# Altium PCB A题功率.PcbDoc (continued)
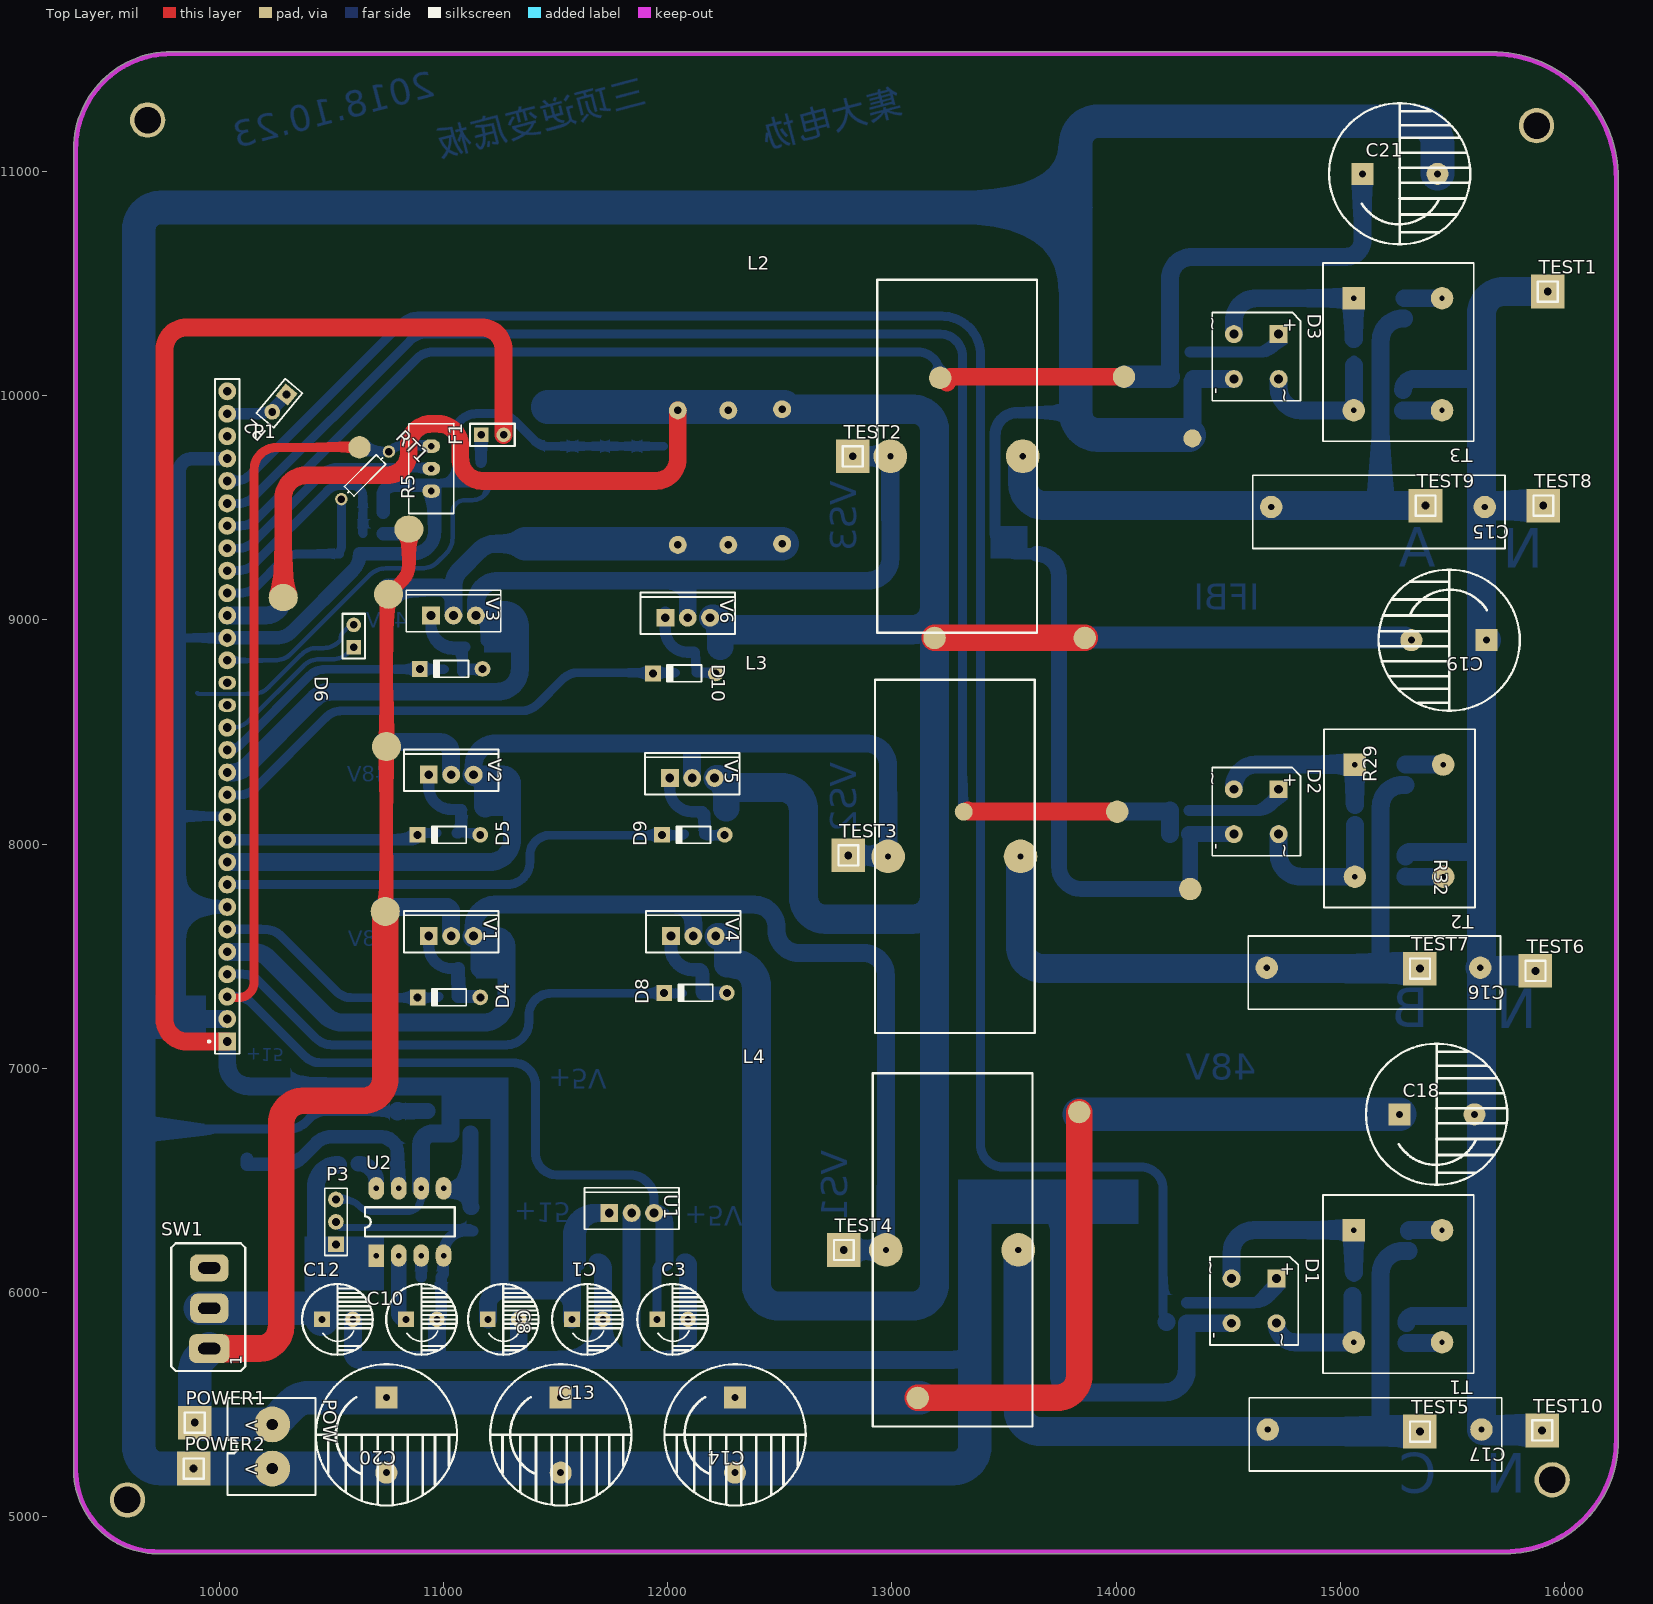
[diagram p0: Top Layer view]
## Footprints (in the part's own frame and the unit in brackets; to place one, negate y for a bottom-side part, rotate by r counter-clockwise, add the part's x,y. Pads: shape width x height; smd on the part's side, far side on the other; paste and mask are expansions set on the pad)
0805 [mil]
  rect 50x60 smd: 1(0,-40) 2(0,50)
  silkscreen extent -37,-83 37,93
0805C#1 [mil]
  rect 60x50 smd: 1(-5,0) 2(85,0)
  silkscreen extent -50,-35 131,36, body extent -16,-26 102,29, height 37
0805C#2 [mil]
  rect 60x50 smd: 1(0,0) 2(90,0)
  silkscreen extent -45,-35 136,36
0805R#1 [mil]
  rect 60x50 smd: 1(-45,0) 2(45,0)
  silkscreen extent -86,-37 86,36, body extent -38,-25 40,25, height 22
0805R#2 [mil]
  rect 60x50 smd far side: 1(45,0) 2(-45,0)
  body extent -40,-25 38,25, height 22
1210R [mil]
  rect 60x100 smd: 1(0,0) 2(135,0)
  silkscreen extent -50,-70 185,70, body extent -12,-49 146,49, height 67
AXIAL-0.3 [mm] "Axial Device, Thru-Hole; 2 Leads; 0.3 in Pin Spacing"
  round 1.4 hole 0.85: 1(-3.81,0) 2(3.81,0)
  silkscreen extent -2.77,-0.76 2.77,0.76
AXIAL-0.6 [mil] "Axial Device, Thru-Hole; 2 Leads; 0.6 in Pin Spacing"
  round 80 hole 33.46: 1(-300,0) 2(300,0)
  silkscreen extent -260,-50 260,50
Cap(直插)RB.8 [mil]
  rect 70x70 / inner round 70 / far side round 70 hole 31.5: 1(2.56,0.31)
  round 70 hole 31.5: 2(140.35,0.31)
  silkscreen extent -86,-157 229,158, body extent -87,-158 230,159, height 466
Cap-RB.16(直插) [mm]
  rect 2.5x2.5 hole 0.8: 1(-2.7,0)
  round 2.5 hole 0.8: 2(5.8,0)
  silkscreen extent -6.48,-8 9.51,8.01, body extent -3.8,-5.4 7.01,5.4, height 13
D1(直插) [mil]
  round 70 hole 35.43: 1(278.62,1.54)
  rect 70x70 hole 35.43: 2(-0.91,1.54)
  silkscreen extent 58,-36 216,39, body extent -24,-51 307,54, height 171
D-38 [mil] "Bridge Rectifier; 4 Terminals; Body 9.4 x 9.4 mm (typ); Pitch 5.08 mm"
  rect 80x80 hole 40: 1(-100,100)
  round 80 hole 40: 2(-100,-100) 3(100,-100) 4(100,100)
  silkscreen extent -197,-197 197,197, body extent -197,-197 197,197, height 390
EG1181 [mil]
  rect 100x70 hole 25: 1(0,0)
  oval 100x70 hole 25: 2(0,-100) 3(0,-200) 4(0,-300) 5(300,-300) 6(300,-200) 7(300,-100) 8(300,0)
  silkscreen extent 85,-350 215,50
HDR1X2 [mil] "Connector; Header; 2 Position"
  rect 70x70 hole 35.43: 1(0,0)
  round 70 hole 35.43: 2(100,0)
  silkscreen extent -50,-50 150,50
HDR1X3 [mil] "Connector; Header; 3 Position"
  rect 70x70 hole 35.43: 1(0,0)
  round 70 hole 35.43: 2(100,0) 3(200,0)
  silkscreen extent -50,-50 250,50
HDR1X30 [mil] "Connector; Header; 30 Position"
  rect 80x80 hole 38.98: 1(0,0)
  round 80 hole 38.98: 2(100,0) 3(200,0) 4(300,0) 5(400,0) 6(500,0) 7(600,0) 8(700,0) 9(800,0) 10(900,0) 11(1000,0) 12(1100,0) 13(1200,0) 14(1300,0) 15(1400,0) 18(1700,0) 19(1800,0) 20(1900,0) 21(2000,0) 22(2100,0) 23(2200,0) 24(2300,0) 25(2400,0) 26(2500,0) 27(2600,0) 28(2700,0) 29(2800,0) 30(2900,0)
  oval 60x80 hole 38.98: 16(1500,0) 17(1600,0)
  silkscreen extent -55,-55 2955,86
"Header 2" [mil]
  rect 65x65 hole 34: 1(0.81,102.01)
  round 65 hole 34: 2(0.81,2.01)
  silkscreen extent -49,-48 51,152, body extent -50,-50 50,150, height 336
NPN [mm]
  rect 0.9x0.95 smd: 1(-0.001,0.001) 2(-1.901,0.001) 3(-0.951,2.351)
  silkscreen extent -3.03,-0.12 0.35,2.35, body extent -2.47,-0.21 0.43,2.59, height 1.2
SS14 [mm]
  rect 2x1.75 smd: 1(-0.178,0.025) 2(4.422,0.025)
  silkscreen extent -0.58,-1.32 4.82,1.38, body extent -0.38,-1.32 4.73,1.35, height 2.12
T03B [mil]
  rect 80x80 hole 39.37: 1(-1,0)
  round 80 hole 39.37: 2(99,0) 3(199,0)
  silkscreen extent -112,-73 310,112, body extent -100,-65 300,115, height 730
大电感 [mm]
  round 3.81 hole 0.7: 1(-0.179,-0.114) 2(14.821,-0.114)
  silkscreen extent -1.68,-20.11 16.42,19.89
接线端子-2P-5.0MM [mil]
  round 160 hole 50: 1(-11.81,-3.94) 2(185.04,-3.94)
  silkscreen extent -130,-203 303,189, body extent -106,-154 287,161, height 433
测试点 [mil]
  rect 150x150 hole 35: 1(-5,0)
  silkscreen extent -50,-45 40,44
涤纶大电容 [mm]
  round 2.54 hole 0.7: 1(24.6,-0.1) 2(0.4,-0.1)
  silkscreen extent -1.9,-3.7 26.7,4.6, body extent -0.4,-4.15 25.6,5.15, height 20.5
电压互感器 [mil]
  rect 100x100 hole 23.62: 1(160,-210)
  round 100 hole 23.62: 2(160,290) 3(-233.7,290) 4(-233.7,-210)
  silkscreen extent -375,-367 298,428
"电感 220uH(大)" [mm]
  rect 5x10 smd: 1(-0.444,0.06) 2(-8.944,0.06)
  silkscreen extent -11.62,-6.09 2.32,6.41, body extent -8.6,-3.28 -1.48,3.83, height 4
钮子开关（大） [mil]
  rrect50% 130x180 hole 51.18 slot 98.43 at 90 deg: 1(-180,0)
  rrect50% 130x170 hole 51.18 slot 98.43 at 90 deg: 2(0,0)
  rrect50% 120x170 hole 51.18 slot 98.43 at 90 deg: 3(180,0)
  silkscreen extent -280,-160 290,170, body extent -245,-243 255,224, height 1110
顶调电位器 [mil]
  oval 60x80 hole 30: 1(0,0) 2(100,0) 3(200,0)
  silkscreen extent -100,-101 301,100, body extent -83,-85 279,104, height 474

## Part data
C1 C3 C8 C10 C12 C13 C14 C18 C19 C20 C21: library part Cap1
C2 C4 C5 C6 C7: library part CAP, "Capacitor"
C9 C11 C15 C16 C17: library part C1
D1 D2 D3: "Full Wave Diode Bridge"
D4 D5 D6 D8 D9 D10: library part SS14
F1: library part "Header 2"
L1 L2 L3 L4: library part L1
P2: "Header, 2-Pin"
P3: "Header, 3-Pin"
POW: library part 接线端子(小)-2PIN
Q1: library part Q2
R1 R2 R4 R6 R7 R8 R9 R10 R11 R12 R13 R14 R15 R16 R17 R18 R19 R20 R21 R22 R23 R24 R25 R26 R27 R28 R29 R30 R31 R32 R33 R34 R35 R36 R37 R38 R39: library part R1
R5: library part RPot, "可调电阻"
RT1: library part Res1, "Resistor"
SW1: library part 钮子开关（大）, "AC 250V/6A"
T1 T2 T3: library part VTran
V1 V2 V3 V4 V5 V6: library part 7575

## Free pads (board coordinates)
  round 157.48 hole 118.11: 8(9590,5075) 8(9680,11230) 8(15875,11205) 8(15945,5165)
  oval 130x120 all layers, no hole: 8(10285,9100) 8(10845,9405)
  round 100 all layers, no hole: 8(10625,9770) 8(13115,5530) 8(13190,8920) 8(13215,10080) 8(13835,6805) 8(13860,8920) 8(14005,8145) 8(14035,10085) 8(14330,7800)
  round 130 all layers, no hole: 8(10740,7700) 8(10745,8435) 8(10755,9115)
  round 80 all layers, no hole: 8(13320,8145) 8(14340,9810)

## Nets (pads, with @x,y where several pads share a name; then routed paths per layer and width w, separated by ;. In a path a pad name is that pad's centre, name@x,y a point inside that pad or via, vN(x,y) a via of type N, cw(c..) or ccw(c..) an arc to the next point about the centre after c; other vN are vias at no path point)
+5V: C3.1 C4.2 P1.3 pad.8@10625,9770 R5.3 RT1.2 U1.3 | length 6417.7
  Top Layer w40: P1.3 ccw(c10040,7320) 10040,7315 10085,7315 ccw(c10085,7385) 10155,7385 10155,9670 cw(c10255,9670) 10255,9770 pad.8@10625,9770
  Bottom Layer w40: P1.3 10073.58,7320 cw(c10073.58,7220) 10144.29,7290.71 10380.71,7054.29 ccw(c10451.42,7125) 10451.42,7025 11310,7025 cw(c11310,6925) 11410,6925 11410,6621.42 ccw(c11506.42,6621.42) 11506.42,6525 11833.58,6525 cw(c11833.58,6425) 11904.29,6495.71 11909.71,6490.29 cw(c11839,6419.58) 11939,6419.58 U1.3 ; pad.8@10601.07,9751.07 RT1.2 cw(c10825.92,9681.21) 10825.92,9780 R5.3@10960,9780 ; C3.1 11952.56,6102.56 cw(c11981.85,6102.56) 11981.85,6131.85 C4.2
  Bottom Layer w80: U1.3 cw(c11939,6309) 11985,6309 C4.2
+15V: C1.1 C2.2 C8.1 C9.2 F1.2 L1.2 P1.1 P3.3 R11.2 U1.1 U2.6 | length 9794.9
  Top Layer w80: P1.1 9855,7120 cw(c9855,7220) 9755,7220 9755,10205 cw(c9855,10205) 9855,10305 11167.99,10305 cw(c11167.99,10205) 11267.99,10205 F1.2
  Bottom Layer w30: P3.3 10553.58,6415 cw(c10553.58,6315) 10624.29,6385.71 ccw(c10686.36,6447.78) 10686.36,6360 10836.72,6360 ccw(c10836.72,6428.28) 10885,6380 ccw(c10848.79,6416.21) 10900,6416.21 U2.6
  Bottom Layer w80: P1.1 10035,7020 ccw(c10135,7020) 10135,6920 11045,6920 ccw(c11045,6905) 11030,6905 11030,6715 ccw(c11025,6715) R11.2@11025,6720 ; U2.6 10900,6657.68 cw(c10952.32,6657.68) 10952.32,6710 R11.2@11030,6710 ; C8.1 11197.56,5941.72 cw(c11265.84,5941.72) 11265.84,6010 ; 11250,6820 11250,6025.84 ccw(c11265.84,6025.84) 11265.84,6010 ; C1.1 11572.56,5937.44 ; U1.1 11695,6355 ; 11265.84,6010 11528.93,6010 cw(c11528.93,5995.76) 11543.16,5995.76 cw(c11500,5937.44) 11572.56,5937.44 ; 11572.56,5937.44 C2.2@11572.56,6112.56 ; C2.2@11572.56,6112.56 cw(c11595,6112.56) C2.2 11595,6255 cw(c11695,6255) 11695,6355 ; C2.2@11572.56,6112.56 11572.56,6255 cw(c11672.56,6255) 11672.56,6355 11695,6355
+48V: C5.1 C6.1 C7.1 C13.1 C14.1 C18.1 C20.1 pad.8@10740,7700 pad.8@10745,8435 pad.8@10755,9115 pad.8@10845,9405 pad.8@13115,5530 pad.8@13835,6805 POW.1 POWER1.1 R4.2 SW1.1 V1.2 V2.2 V3.2 | length 14368.8
  Top Layer w60: pad.8@10740,7700 ccw(c10727.93,7712.07) 10745,7712.07 10745,8435 10745,9063.58 cw(c10845,9063.58) 10774.29,9134.29 10815.71,9175.71 ccw(c10745,9246.42) 10845,9246.42 pad.8@10845,9405
  Top Layer w118.11: SW1.1 10175,5750 ccw(c10175,5850) 10275,5850 10275,6755 cw(c10375,6755) 10375,6855 10640,6855 ccw(c10640,6955) 10740,6955 pad.8@10740,7700 ; pad.8@13115,5530 13735,5530 ccw(c13735,5630) 13835,5630 pad.8@13835,6805
  Bottom Layer w60: R4.2@10730,9385 pad.8@10850,9385
  Bottom Layer w80: pad.8@10720,7715 cw(c10725,7715) 10725,7720 11010,7720 cw(c11010,7696) 11034,7696 V1.2 ; pad.8@10730,8455 10985,8455 cw(c10985,8406) 11034,8406 V2.2 ; pad.8@10750,9145 10980,9145 cw(c10980,9081) 11044,9081 ; V3.2 11044,9081 ; 11365,9340 11231.42,9340 ccw(c11231.42,9240) 11160.71,9310.71 11073.29,9223.29 ccw(c11144,9152.58) 11044,9152.58 11044,9081
  Bottom Layer w150: SW1.1 9919.29,5714.29 ccw(c9990,5643.58) 9890,5643.58 POWER1.1 ccw(c9909.77,5439.77) 9909.77,5411.81 POW.1 10326.26,5502.01 cw(c10396.97,5431.3) 10396.97,5531.3 C20.1 C13.1 C14.1 ccw(c12301.3,5531.3) 12301.3,5530 13115,5530 pad.8@13125,5530 ; 11365,9340 C6.1 ; pad.8@13835,6795 C18.1
A: C15.1 L2.2 R34.2 TEST9.1 | length 2871.2
  Bottom Layer w80: 15180,9510 15180,10245 cw(c15280,10245) 15280,10345 R34.2
  Bottom Layer w130: L2.2 13583.52,9610 ccw(c13683.52,9610) 13683.52,9510 15180,9510 TEST9.1
AHO: D6.2 P1.14 R9.1 | length 1111.2
  Bottom Layer w39.37: P1.14 ccw(c10035,8504.5) 10094.75,8444.75 10400.71,8750.71 cw(c10471.42,8680) 10471.42,8780 10905.24,8780 R9.1@11005,8780
ALO: D10.2 P1.12 R18.1 | length 2208.5
  Bottom Layer w39.37: P1.12 10088.58,8220 ccw(c10088.58,8320) 10159.29,8249.29 10475.71,8565.71 cw(c10546.42,8495) 10546.42,8595 11348.58,8595 ccw(c11348.58,8695) 11419.29,8624.29 11530.71,8735.71 cw(c11601.42,8665) 11601.42,8765 11940.24,8765 R18.1
ASIN: P1.17
AVFB: C21.1 P1.24 pad.8@13215,10080 pad.8@14035,10085 R33.1 R36.2 | length 6378.9
  Top Layer w80: pad.8@13245,10060 cw(c13270,10060) 13270,10085 pad.8@14035,10085
  Bottom Layer w40: P1.24 10093.58,9420 ccw(c10093.58,9520) 10164.29,9449.29 10880.71,10165.71 cw(c10951.42,10095) 10951.42,10195 13115,10195 cw(c13115,10095) 13215,10095 pad.8@13215,10080 ; R36.2@14240,10075 14240,10088.18 R33.1@14240,10195
  Bottom Layer w80: 14240,10520 cw(c14340,10520) 14340,10620 15025,10620 ccw(c15025,10693.7) 15098.7,10693.7 C21.1
  Bottom Layer w82: 14240,10520 R33.1 14240,10088.21 ccw(c14243.21,10088.21) R36.2@14243.21,10085
  Bottom Layer w100: pad.8@14035,10085 R36.2@14234.14,10085
B: C16.1 L3.2 R29.2 TEST7.1 | length 3279.4
  Bottom Layer w60: TEST7.1@15351.06,7448.94 cw(c15351.06,7445) TEST7.1
  Bottom Layer w80: 15180,7458.94 15180,8165 cw(c15279.83,8165) 15279.83,8264.83 R29.2@15290,8264.83 ; 15190,7448.94 TEST7.1@15351.06,7448.94
  Bottom Layer w130: L3.2 13573.52,7545 ccw(c13673.52,7545) 13673.52,7445 TEST7.1
BET: P1.22 R4.1 R27.2 | length 948.4
  Bottom Layer w40: P1.22 10083.58,9220 ccw(c10083.58,9320) 10154.29,9249.29 10480.28,9575.28 cw(c10540,9515.5) 10540,9600 10590,9600 cw(c10590,9550) 10640,9550 10640,9480 R4.1@10640,9385 ; 10480,9575 10480.25,9575.25
BFO: P1.16
BHO: D5.2 P1.10 R8.1 | length 952.1
  Bottom Layer w40: D5.2@10890.24,8050 R8.1@10970,8050
  Bottom Layer w50: P1.10 10860.24,8020 ccw(c10860.24,8050) D5.2@10890.24,8050
BLO: D9.2 P1.8 R39.1 | length 2180.5
  Bottom Layer w39.37: P1.8 11285,7820 ccw(c11285,7920) 11385,7920 11385,7950 cw(c11475,7950) 11422.57,8023.15 cw(c11475,7950) 11475,8040 11975.24,8040 12070,8040 R39.1@12075,8045
BVFB: P1.25 pad.8@13320,8145 pad.8@14005,8145 R28.1 R31.2 | length 6691.2
  Top Layer w80: pad.8@13340,8150 ccw(c13345,8150) 13345,8145 pad.8@14005,8145
  Bottom Layer w40: P1.25 10083.58,9520 ccw(c10083.58,9620) 10154.29,9549.29 10850.71,10245.71 cw(c10921.42,10175) 10921.42,10275 13215,10275 cw(c13215,10175) 13315,10175 13315,8175 ccw(c13340,8175) pad.8@13340,8150
  Bottom Layer w80: pad.8@14005,8145 14235,8145 ccw(c14235,8150) R28.1 R31.2
C: C17.1 L4.2 R16.2 TEST5.1 | length 3577.3
  Bottom Layer w80: 15180,5408.94 15180,6085 cw(c15280,6085) 15280,6185 R16.2 ; 15200,5388.94 15346.06,5388.94 cw(c15346.06,5380) TEST5.1
  Bottom Layer w130: L4.2 13563.52,5480 ccw(c13663.52,5480) 13663.52,5380 TEST5.1
CHO: D4.2 P1.6 R7.1 | length 1064.8
  Bottom Layer w40: P1.6 10203.58,7620 cw(c10203.58,7520) 10274.29,7590.71 10520.71,7344.29 ccw(c10591.42,7415) 10591.42,7315 10885.24,7315 10975,7315 R7.1@10980,7320
CLO: D8.2 P1.4 R38.1 | length 2296
  Bottom Layer w40: P1.4 10103.58,7420 cw(c10103.58,7320) 10174.29,7390.71 10430.71,7134.29 ccw(c10501.42,7205) 10501.42,7105 11280,7105 ccw(c11280,7205) 11380,7205 11380,7235 cw(c11480,7235) 11480,7335 11975.24,7335 R38.1
CVFB: P1.26 R1.1 R2.2 | length 8809.8
  Bottom Layer w40: P1.26 10068.58,9620 ccw(c10068.58,9720) 10139.29,9649.29 10815.71,10325.71 cw(c10886.42,10255) 10886.42,10355 13222.92,10355 cw(c13222.92,10182.92) 13395,10182.92 13395,6660 ccw(c13495,6660) 13495,6560 14110,6560 cw(c14110,6460) 14210,6460 14210,5904.4 ccw(c14261.21,5904.4) 14225,5868.19 ccw(c14230,5868.19) R2.2@14230,5863.19
ENH: P1.30
ERO: ?.1 P1.15 | length 699.6
  Bottom Layer w20: P1.15 10058.58,8520 ccw(c10058.58,8620) 10129.29,8549.29 10375.71,8795.71 cw(c10446.42,8725) 10446.42,8825 10504.78,8825 ccw(c10504.78,8925) 10575.49,8854.29 ?.1
FAN: P1.18 Q1.2 | length 1591
  Bottom Layer w20: P1.18 10248.58,8820 ccw(c10248.58,8920) 10319.29,8849.29 10670.71,9200.71 cw(c10741.42,9130) 10741.42,9230 10903.58,9230 ccw(c10903.58,9330) 10974.29,9259.29 11010.71,9295.71 ccw(c10940,9366.42) 11040,9366.42 11040,9480 cw(c11095,9480) 11095,9535 11129.82,9535 ccw(c11129.82,9610.03) Q1.2
GND: ?.2 C1.2 C2.1 C3.2 C4.1 C8.2 C9.1 C10.2 C11.1 C12.2 C13.2 C14.2 C20.2 C21.2 D1.3 D2.3 D3.3 D7.1 P1.2 P1.7 P1.11 P1.19 P1.27 P3.2 pad.8@14330,7800 pad.8@14340,9810 POW.2 POWER2.1 Q1.1 R2.1 R5.1 R15.1 R22.1 R23.1 R24.1 R25.1 R26.1 R27.1 R31.1 R36.1 U1.2 U2.4 | length 39807.4
  Bottom Layer w18: 9900,8675 ccw(c9912.07,8687.07) 9912.07,8670 10125,8670
  Bottom Layer w20: 10125,8670 10148.58,8670 ccw(c10148.58,8770) 10219.29,8699.29 10365.71,8845.71 cw(c10436.42,8775) 10436.42,8875 10465,8875 ccw(c10465,8971.57) 10533.28,8903.28 10540,8910 cw(c10600.36,8910) 10557.68,8952.68 10571.54,8966.54 cw(c10599.19,8938.89) ?.2
  Bottom Layer w30: P3.2 ccw(c10545,6315) 10545,6290 11115,6290 cw(c11115,6275) R15.1@11130,6275
  Bottom Layer w40: 9640,6730 10313.58,6730 ccw(c10313.58,6830) 10384.29,6759.29 10402.71,6777.71 cw(c10473.42,6707) 10473.42,6807 D7.1 ; 9820,8125 10030,8125 cw(c10030,8120) P1.11 ; 9820,8935 ccw(c9835,8935) 9835,8920 P1.19 ; R5.1@10960,9580 cw(c10990.03,9580) 10990.03,9610.03 11065,9610.03 ; Q1.1 11065,9610.03 ; R25.1@11980,9775 11460,9775 cw(c11460,9847.43) 11408.79,9796.21 11314.29,9890.71 ccw(c11243.58,9820) 11243.58,9920 11146.42,9920 ccw(c11146.42,9820) 11075.71,9890.71 ccw(c11101.57,9864.85) 11065,9864.85 11065,9610.03 ; R2.1@14320,5863.19 D1.3 ; R36.1@14340,10065 14330,10075 R36.1@14345,10075
  Bottom Layer w50: C10.2 ccw(c10970.35,5899.96) 10990,5899.96 C11.1 ccw(c10965.86,6094.14) 11000,6094.14 U2.4 11000,6175 cw(c11100,6175) 11100,6275 R15.1@11130,6275 ; 13645,9295 13560,9295 cw(c13560,9395) 13460,9395 13460,9825 cw(c13560,9825) 13560,9925 13820,9925
  Bottom Layer w60: 9640,7182.14 9648.57,7190.71 cw(c9719.28,7120) 9719.28,7220 9920,7220 cw(c9920,7320) 9827.45,7282.14 cw(c9920,7320) 9820,7320 9820,7720 ; P1.7 9820,7720 ; P1.19 10253.58,8920 ccw(c10253.58,9020) 10324.29,8949.29 10595.71,9220.71 ccw(c10525,9291.42) 10625,9291.42 10625,9295 10860,9295 ccw(c10860,9395) 10960,9395 10960,9580 10960,9600 10775,9600 ccw(c10775,9555) 10730,9555 R27.1@10730,9480 ; P1.27 9880,9720 ccw(c9880,9660) 9820,9660 9820,8935 9820,8125 9820,7720
  Bottom Layer w70: D7.1@10797,6810 C9.1@10930,6810 ; 13645,9295 cw(c13645,9195) 13745,9195 13745,7900 ccw(c13845,7900) 13845,7800 14330,7800 R31.1 ; R31.1@14325,8045 D2.3
  Bottom Layer w80: 9920,7220 P1.2 ; C12.2 10595.35,5729.65 ccw(c10625,5729.65) 10625,5700 10980,5700 ; D7.1 cw(c10797,6807) D7.1@10797,6810 ; C10.2 10970.35,5709.65 ccw(c10980,5709.65) 10980,5700 ; C8.2 11335.35,5729.65 cw(c11315.35,5729.65) 11315.35,5709.65 ccw(c11325,5709.65) 11325,5700 ; C2.1@11685.78,6135 cw(c11685.78,6110.42) 11710.35,6110.42 C1.2 11710.35,5700 ; U1.2 11839,5716 ccw(c11855,5716) 11855,5700 ; C4.1 cw(c12075,6119.65) 12090.35,6119.65 C3.2 12090.35,5800 cw(c11990.35,5800) 11990.35,5700 ; 13370,5800 cw(c13270,5800) 13270,5700 11990.35,5700 ; 13370,6315 cw(c13430,6315) 13430,6375 13645,6375 cw(c13645,6275) 13745,6275 13745,5630 ccw(c13820,5630) 13820,5555 14215,5555 ccw(c14215,5655) 14315,5655 R2.1 cw(c14318.19,5860) 14318.19,5863.19 D1.3 ; pad.8@14340,9810 R36.1@14340,10065 ; R36.1@14345,10075 D3.3 ; 10980,5700 11325,5700 ; 11325,5700 11710.35,5700 ; 11710.35,5700 11855,5700 ; 11855,5700 11990.35,5700
  Bottom Layer w150: 13370,6315 13370,5800 13370,5315 cw(c13270,5315) 13270,5215 POWER2.1 9740,5215 cw(c9740,5315) 9640,5315 9640,6730 9640,7182.14 9640,10740 cw(c9740,10740) 9740,10840 13820,10840 ; pad.8@14325,9825 13920,9825 cw(c13920,9925) 13820,9925 13820,10840 ; C21.2 15433.35,11125 ccw(c15333.35,11125) 15333.35,11225 13920,11225 ccw(c13920,11125) 13820,11125 13820,10840
IFBI: C5.2 C6.2 C7.2 C19.2 P1.20 pad.8@10285,9100 pad.8@13190,8920 pad.8@13860,8920 R19.2 R20.2 R21.2 R22.2 R23.2 R24.2 R25.2 V4.3 V5.3 V6.3 | length 16210.3
  Top Layer w78.74: pad.8@10285,9100 10285,9545 cw(c10385,9545) 10385,9645 10745,9645 ccw(c10745,9745) 10845,9745 10845,9775 cw(c10945,9775) 10945,9875 10975,9875 cw(c10975,9775) 11075,9775 11075,9720 ccw(c11175,9720) 11175,9620 11945,9620 ccw(c11945,9720) 12045,9720 C7.2
  Top Layer w118.11: pad.8@13190,8920 pad.8@13860,8920
  Bottom Layer w78.74: P1.20 10205,9020 ccw(c10205,9100) pad.8@10285,9100 ; C19.2@15288.22,8921.78 ccw(c15316.65,8950.21) C19.2
  Bottom Layer w100: pad.8@13868.43,8921.78 C19.2@15288.22,8921.78
  Bottom Layer w118.11: V6.3@12198.06,9010 cw(c12198.06,8973.06) 12235,8973.06 12235,8956.63 R21.2@12235,8880 ; V5.3@12218.06,8295 cw(c12218.06,8253.06) 12260,8253.06 R20.2@12260,8160 ; V4.3@12223.06,7590 cw(c12223.06,7548.06) 12265,7548.06 12265,7465
  Bottom Layer w130: 12235,8956.63 13090,8956.63 ccw(c13090,9056.63) 13190,9056.63 ; 12260,8253.06 12505,8253.06 cw(c12505,8153.06) 12605,8153.06 12605,7765 ccw(c12705,7765) 12705,7665 13090,7665 ccw(c13090,7765) 13190,7765 ; 12295,7465 cw(c12295,7365) 12395,7365 12395,6040 ccw(c12495,6040) 12495,5940 13090,5940 ccw(c13090,6040) 13190,6040 13190,7765 ; C6.2 13095,9940 cw(c13095,9845) 13190,9845 13190,9056.63 ; 13190,7765 13190,8920 13190,9056.63
  Bottom Layer w150: 11465,9950 12270,9950 C6.2@12520,9950
N: C15.2 C16.2 C17.2 C18.2 C19.1 R17.2 R32.2 R37.2 TEST1.1 TEST6.1 TEST8.1 TEST10.1 | length 9263.6
  Bottom Layer w70: 15645,5895 C16.2@15645,7435
  Bottom Layer w80: R37.2 cw(c15330,10025) 15330,10075 15555,10075 ; R32.2 cw(c15310,7945) 15310,7965 15629.25,7965 15640,7965 C16.2@15640,7448.94 ; R17.2 cw(c15325,5865) 15325,5895 15595,5895 cw(c15595,5860.75) 15629.25,5860.75
  Bottom Layer w130: C16.2 ccw(c15657.9,7482.58) C16.2@15629.25,7444.59 ; C15.2 cw(c15658.89,9489.3) 15658.89,9510 TEST8.1 ; C19.1 ccw(c15704.53,8856.77) 15629.25,8856.77 ; TEST6.1 15657.9,7435 cw(c15657.9,7482.58) 15640,7438.49 cw(c15657.9,7482.58) C16.2@15629.25,7444.59 ; TEST10.1 15638.76,5385 cw(c15638.76,5398.44) C17.2 15629.25,5860.75 C16.2@15629.25,7444.59 ; TEST1.1 15729.25,10465 ccw(c15729.25,10365) 15629.25,10365 15629.25,8856.77 ; C16.2@15629.25,7444.59 15629.25,7965 15629.25,8856.77
NetC10_1: C10.1 U2.2 | length 303.3
  Bottom Layer w70: U2.2 10800,5912.87 ccw(c10832.56,5912.87) C10.1
NetC11_2: C11.2 U2.3 | length 108.4
  Bottom Layer w50: C11.2 U2.3 ccw(c10887.93,6177.07) U2.3@10905,6177.07
NetC12_1: C12.1 P3.1 R10.1 SW1.2 U2.1 | length 1195.4
  Bottom Layer w80: 10425,6200 ccw(c10425,6205) 10430,6205 10430,6470 cw(c10530,6470) R10.1@10530,6570
  Bottom Layer w150: SW1.2@9915,5930 10430,5930 ; C12.1 10457.56,6130.82
NetD1_1: D1.1 R1.2 | length 465.3
  Bottom Layer w50: R1.2@14315,5955 14615,5955 ccw(c14615,6055) 14715,6055 D1.1
NetD1_2: D1.2 R6.1 T1.1 | length 927.1
  Bottom Layer w40: R6.1@15060,6068.19 R6.1@15060,6090
  Bottom Layer w80: D1.2 14515,6178.19 cw(c14615,6178.19) 14615,6278.19 T1.1 R6.1@15060,6090
NetD1_4: D1.4 R6.2 T1.2 | length 603.2
  Bottom Layer w80: D1.4 ccw(c14800,5863.19) 14800,5778.19 T1.2 cw(c15060,5783.19) 15055,5783.19 R6.2
NetD2_1: D2.1 R28.2 | length 454.2
  Bottom Layer w50: R28.2@14325,8150 R28.2 14630,8150 ccw(c14630,8245) D2.1
NetD2_2: D2.2 R30.1 T2.1 | length 786.7
  Bottom Layer w80: D2.2 14525,8254.83 cw(c14625,8254.83) 14625,8354.83 T2.1 15064.9,8175 R30.1
NetD2_4: D2.4 R30.2 T2.2 | length 717.4
  Bottom Layer w80: D2.4 14725,7954.83 ccw(c14825,7954.83) 14825,7854.83 T2.2 15064.9,8085 R30.2
NetD3_1: D3.1 R33.2 | length 440.7
  Bottom Layer w50: R33.2@14330,10195 14645,10195 ccw(c14645,10275) D3.1
NetD3_2: D3.2 R35.1 T3.1 | length 837.1
  Bottom Layer w39.37: R35.1@15060,10250 R35.1
  Bottom Layer w80: D3.2 14525,10335 cw(c14625,10335) 14625,10435 T3.1
  Bottom Layer w82: R35.1 T3.1
NetD3_4: D3.4 R35.2 T3.2 | length 657.1
  Bottom Layer w40: R35.2@15060,10135 R35.2@15060,10160
  Bottom Layer w80: D3.4 14725,10035 ccw(c14825,10035) 14825,9935 T3.2 R35.2@15060,10135
NetD4_1: D4.1 R7.2 R12.1 V1.1 | length 457.8
  Bottom Layer w50: V1.1 10934,7545 ccw(c11034,7545) 11002.78,7450 ccw(c11034,7545) 11034,7445 R12.1
  Bottom Layer w59.06: R12.1 11065,7325 ccw(c11070,7325) 11070,7320 11159.76,7320 D4.1@11164.76,7315
NetD5_1: D5.1 R8.2 R13.1 V2.1 | length 484.3
  Bottom Layer w40: R8.2@11060,8050 D5.1@11169.76,8050
  Bottom Layer w50: V2.1 10934,8255 ccw(c11034,8255) 11002.78,8160 ccw(c11034,8255) 11034,8155 R13.1 11080,8070 cw(c11060,8070) R8.2@11060,8050
NetD6_1: D6.1 R9.2 R14.1 V3.1 | length 689.1
  Bottom Layer w50: 10944,8969.36 ccw(c11044,8969.36) 10983.15,8890 ccw(c11044,8969.36) 11044,8869.36 11061.67,8869.36 cw(c11010,8815) 11085,8815 ; V3.1 10944,8980 ccw(c11044,8980) 11044,8880 R14.1 ccw(c11095,8870) 11085,8870 11085,8815 ; R9.2@11085,8770 11085,8815 ; R9.2@11095,8780 D6.1@11184.76,8780
NetD7_2: D7.2 L1.1 U2.7 | length 940
  Bottom Layer w59.06: L1.1@10122.63,6595 L1.1 10296.05,6572.47 ccw(c10296.05,6672.47) 10366.76,6601.76 10431.72,6666.72 cw(c10500,6598.43) 10500,6695 10724.9,6695 cw(c10724.9,6625.9) D7.2 10794,6471 ccw(c10800,6471) U2.7
NetD8_1: D8.1 R19.1 R38.2 V4.1 | length 446.4
  Bottom Layer w59.06: V4.1 12014,7540 ccw(c12114,7540) 12082.78,7445 ccw(c12114,7540) 12114,7440 12140,7440 cw(c12140,7425) 12155,7425 R38.2 D8.1@12254.76,7335
NetD9_1: D9.1 R20.1 R39.2 V5.1 | length 434.9
  Bottom Layer w43.31: R39.2@12165,8045 12170,8040 D9.1@12254.76,8040
  Bottom Layer w50: V5.1 12009,8245 ccw(c12109,8245) 12056.32,8160 ccw(c12109,8245) 12109,8145 R20.1 ; R39.2@12165,8045 R20.1@12165,8135
NetD10_1: D10.1 R18.2 R21.1 V6.1 | length 444.5
  Bottom Layer w39.37: R21.1@12119.41,8852.44 cw(c12095,8835) 12125,8835 R18.2 D10.1@12219.76,8765
  Bottom Layer w50: V6.1@11976.5,9022.5 V6.1@11989,9035 ; V6.1 11989,8956.21 ccw(c12089,8956.21) 12048.01,8865 ccw(c12089,8956.21) 12089,8856.21 12115.64,8856.21 cw(c12115.64,8852.44) 12116.27,8856.16 cw(c12115.64,8852.44) R21.1@12119.41,8852.44
NetF1_1: F1.1 Q1.3 | length 123.4
  Bottom Layer w50: Q1.3 11167.45,9824.51 cw(c11169.29,9824.51) F1.1
NetR10_2: R10.2 U2.8 | length 155.7
  Bottom Layer w70: R10.2 cw(c10620,6495) 10700,6495 U2.8
NetR11_1: R11.1 R15.2 U2.5 | length 458.6
  Bottom Layer w70: U2.5 ccw(c11010,6465) 11010,6455 11120,6455 ; R11.1@11120,6710 11120,6455 ; R15.2 cw(c11125,6385) 11120,6385 11120,6455
NetR16_1: R16.1 T1.4 | length 153.7
  Bottom Layer w60: R16.1@15305,6278.19 R16.1@15308.19,6278.19
  Bottom Layer w80: R16.1 cw(c15308.19,6275) 15308.19,6278.19 T1.4
NetR17_1: R17.1 T1.3 | length 160.5
  Bottom Layer w80: R17.1 15450.51,5775 ccw(c15450.51,5778.19) T1.3
NetR29_1: R29.1 T2.4 | length 168.8
  Bottom Layer w80: R29.1 15290,8354.83 T2.4
NetR32_1: R32.1 T2.3 | length 168.8
  Bottom Layer w80: R32.1 15290,7854.83 T2.3
NetR34_1: R34.1 T3.4 | length 168.7
  Bottom Layer w80: R34.1 T3.4
NetR37_1: R37.1 T3.3 | length 173.7
  Bottom Layer w80: R37.1 T3.3
PHCLR: P1.29 P2.1 P2.2 | length 295.9
  Bottom Layer w50: P1.29 10173.58,9920 ccw(c10173.58,10020) 10244.29,9949.29 P2.1
PHDIR: P1.28
TFB: P1.21 R26.2 RT1.1 | length 805.2
  Bottom Layer w40: P1.21 10093.58,9120 ccw(c10093.58,9220) 10164.29,9149.29 10280.71,9265.71 cw(c10351.42,9195) 10351.42,9295 10535,9295 10535,9305 ccw(c10513.43,9326.57) 10543.93,9326.57 RT1.1@10543.93,9533.93
VADJ: P1.23 R5.2 | length 1065.5
  Bottom Layer w40: P1.23 10083.58,9320 ccw(c10083.58,9420) 10154.29,9349.29 10455.71,9650.71 cw(c10526.42,9580) 10526.42,9680 R5.2@10960,9680
VS1: L4.1 P1.5 R12.2 TEST4.1 V1.3 V4.2 | length 5721.1
  Bottom Layer w80: P1.5 10148.58,7520 cw(c10148.58,7420) 10219.29,7490.71 10475.71,7234.29 ccw(c10546.42,7305) 10546.42,7205 11180,7205 ccw(c11180,7305) 11280,7305 11280,7545 ccw(c11235,7545) 11235,7590 V1.3 11134,7634 cw(c11230,7634) 11230,7730 12030,7730 ; V4.2 12114,7646 ccw(c12030,7646) 12030,7730 ; TEST4.1 12785,6190.51 L4.1 12972.97,7415 ccw(c12872.97,7415) 12872.97,7515 12585,7515 cw(c12585,7615) 12485,7615 12485,7630 ccw(c12385,7630) 12385,7730 12030,7730
  Bottom Layer w100: V1.3 cw(c11134,7554) 11170,7554 R12.2@11170,7450
VS2: L3.1 P1.9 R13.2 TEST3.1 V2.3 V5.2 | length 4699.1
  Bottom Layer w80: P1.9 11205,7920 ccw(c11205,8020) 11305,8020 11305,8270 ccw(c11265,8270) 11265,8310 V2.3 11134,8350 cw(c11234,8350) 11234,8450 12115,8450 ; V5.2 12109,8444 cw(c12115,8444) 12115,8450 ; TEST3.1 12978.48,7950 cw(c12978.48,7945.51) L3.1 L3.1@12982.97,7947.03 ; L3.1@12975,7955 cw(c12975,7947.03) L3.1@12982.97,7947.03 ; 12115,8450 12882.97,8450 cw(c12882.97,8350) 12982.97,8350 L3.1@12982.97,7947.03
  Bottom Layer w100: V2.3 cw(c11134,8259) 11185,8259 R13.2@11185,8170
VS3: L2.1 P1.13 R14.2 TEST2.1 V3.3 V6.2 | length 5003.7
  Bottom Layer w60: P1.13 P1.13@10053.58,8320 ; 11195,8910 11195,8994 ccw(c11144,8994) 11166.02,9040 11265,9040
  Bottom Layer w80: P1.13@10053.58,8320 ccw(c10053.58,8420) 10124.29,8349.29 10425.71,8650.71 cw(c10496.42,8580) 10496.42,8680 11240,8680 ccw(c11240,8780) 11340,8780 11340,8975 ccw(c11270,8975) 11270,9045 11144,9045 11144,9075 cw(c11244,9075) 11244,9175 12004,9175 ; 11195,8994 11195,9011.02 ; V6.2@12089,9035 12089,9125.14 ccw(c12066.12,9125.14) 12066.12,9148.02 ccw(c12004,9090) 12004,9175 ; TEST2.1 12825,9730.51 L2.1 12992.97,9275 cw(c12892.97,9275) 12892.97,9175 12004,9175
pads on no net: SW1.3

## Polygon pours and split planes (outlines as drawn)
GND on Bottom Layer "Top Layer-No Net" (solid, remove dead copper, pour order 4): 8690,12160 8690,12030 ccw(c8790,12030) 8790,11930 16400,11930 16745,11930 cw(c16745,11830) 16845,11830 16845,7435 16845,4495 cw(c16745,4495) 16745,4395 15880,4395 8320,4395 ccw(c8320,4370) 8295,4370

## Keep-outs
Keep-Out Layer:
  lines w20: 9720,4845 15735,4845 ccw(c15735,5340) 16230,5340 16230,10970 ccw(c15675,10970) 15675,11525 9785,11525 ccw(c9785,11100) 9360,11100 9360,5205 ccw(c9725,5210) 9730,4845

## Other copper
Bottom Layer:
  rectangle net GND: 13295,6305 14100,6505
  rectangle net GND: 13440,9275 13605,9420
  rectangle net VS3: 11180,8855 11310,9050
  rectangle net VS1: 11145,7400 11275,7595
  rectangle net VS2: 11165,8125 11295,8320
  rectangle net GND: 9565,7130 9940,7325
  rectangle net +15V: 11045,6775 11290,6960
  rectangle net NetC12_1: 10380,6010 10735,6250
  text "2018.10.23" at 10980,11300 h200 r14.79
  text "三项逆变底板" at 11925,11270 h200 r14.79
  text "集大电协" at 13065,11225 h200 r14.79
  text "VS3" at 12880,9620 h200 r90
  text "A" at 15425,9180 h300
  text "N" at 15905,9175 h300
  text "IFBI" at 14640,9005 h200
  text "48V" at 10840,8940 h120
  text "VS2" at 12880,8365 h200 r90
  text "48V" at 10755,8255 h120
  text "48V" at 10760,7520 h120
  text "B" at 15395,7125 h300
  text "N" at 15875,7120 h300
  text "+15" at 10120,7110 h100 r180
  text "+5V" at 11470,7025 h150 r180
  text "48V" at 14625,6910 h200
  text "VS1" at 12840,6635 h200 r90
  text "+15" at 11315,6430 h150 r180
  text "+5V" at 12075,6415 h150 r180
  text "C" at 15430,5050 h300
  text "N" at 15830,5050 h300

## Silkscreen, mask and mechanical layers (free items; w line width, h text height)
Top Overlay:
  lines w10: 95,4375 ccw(c215.71,4375) 130.36,4289.64 ; 1519.64,2900.36 ccw(c1605,2985.71) 1605,2865

## Text inside footprints (layer, text, board x,y; h text height)
D1: Top Overlay "~" at 14715,5823.19 h59.05 r270; Top Overlay "~" at 14395,6143.19 h59.05 r270; Top Overlay "-" at 14415,5823.19 h59.05 r270; Top Overlay "+" at 14739.57,6136.81 h59.06 r270
D2: Top Overlay "+" at 14749.57,8318.62 h59.06 r270; Top Overlay "-" at 14425,8005 h59.05 r270; Top Overlay "~" at 14405,8325 h59.05 r270; Top Overlay "~" at 14725,8005 h59.05 r270
D3: Top Overlay "+" at 14749.57,10348.62 h59.06 r270; Top Overlay "-" at 14425,10035 h59.05 r270; Top Overlay "~" at 14405,10355 h59.05 r270; Top Overlay "~" at 14725,10035 h59.05 r270
POW: Top Overlay "V" at 10117.95,5234.65 h50 r270; Top Overlay "V" at 10117.95,5431.5 h50 r270
SW1: Top Overlay "1" at 10100,5675 h50 r90